# Altium PCB Fastino-DIOT.PCBDOC (part 4 of 22)
Units mm, origin at the board's own origin, x right, y up, seen from the top; angles counter-clockwise.
Board outline 222.63 x 100.1 mm, 8 copper layers (L1, L2, L3, P4, L5, L6, P7, L8), stack 1.563 mm thick; 1030 components, 787 nets, 3312 pads, 2498 vias.
Unrouted connection lines stored in the file: 424.
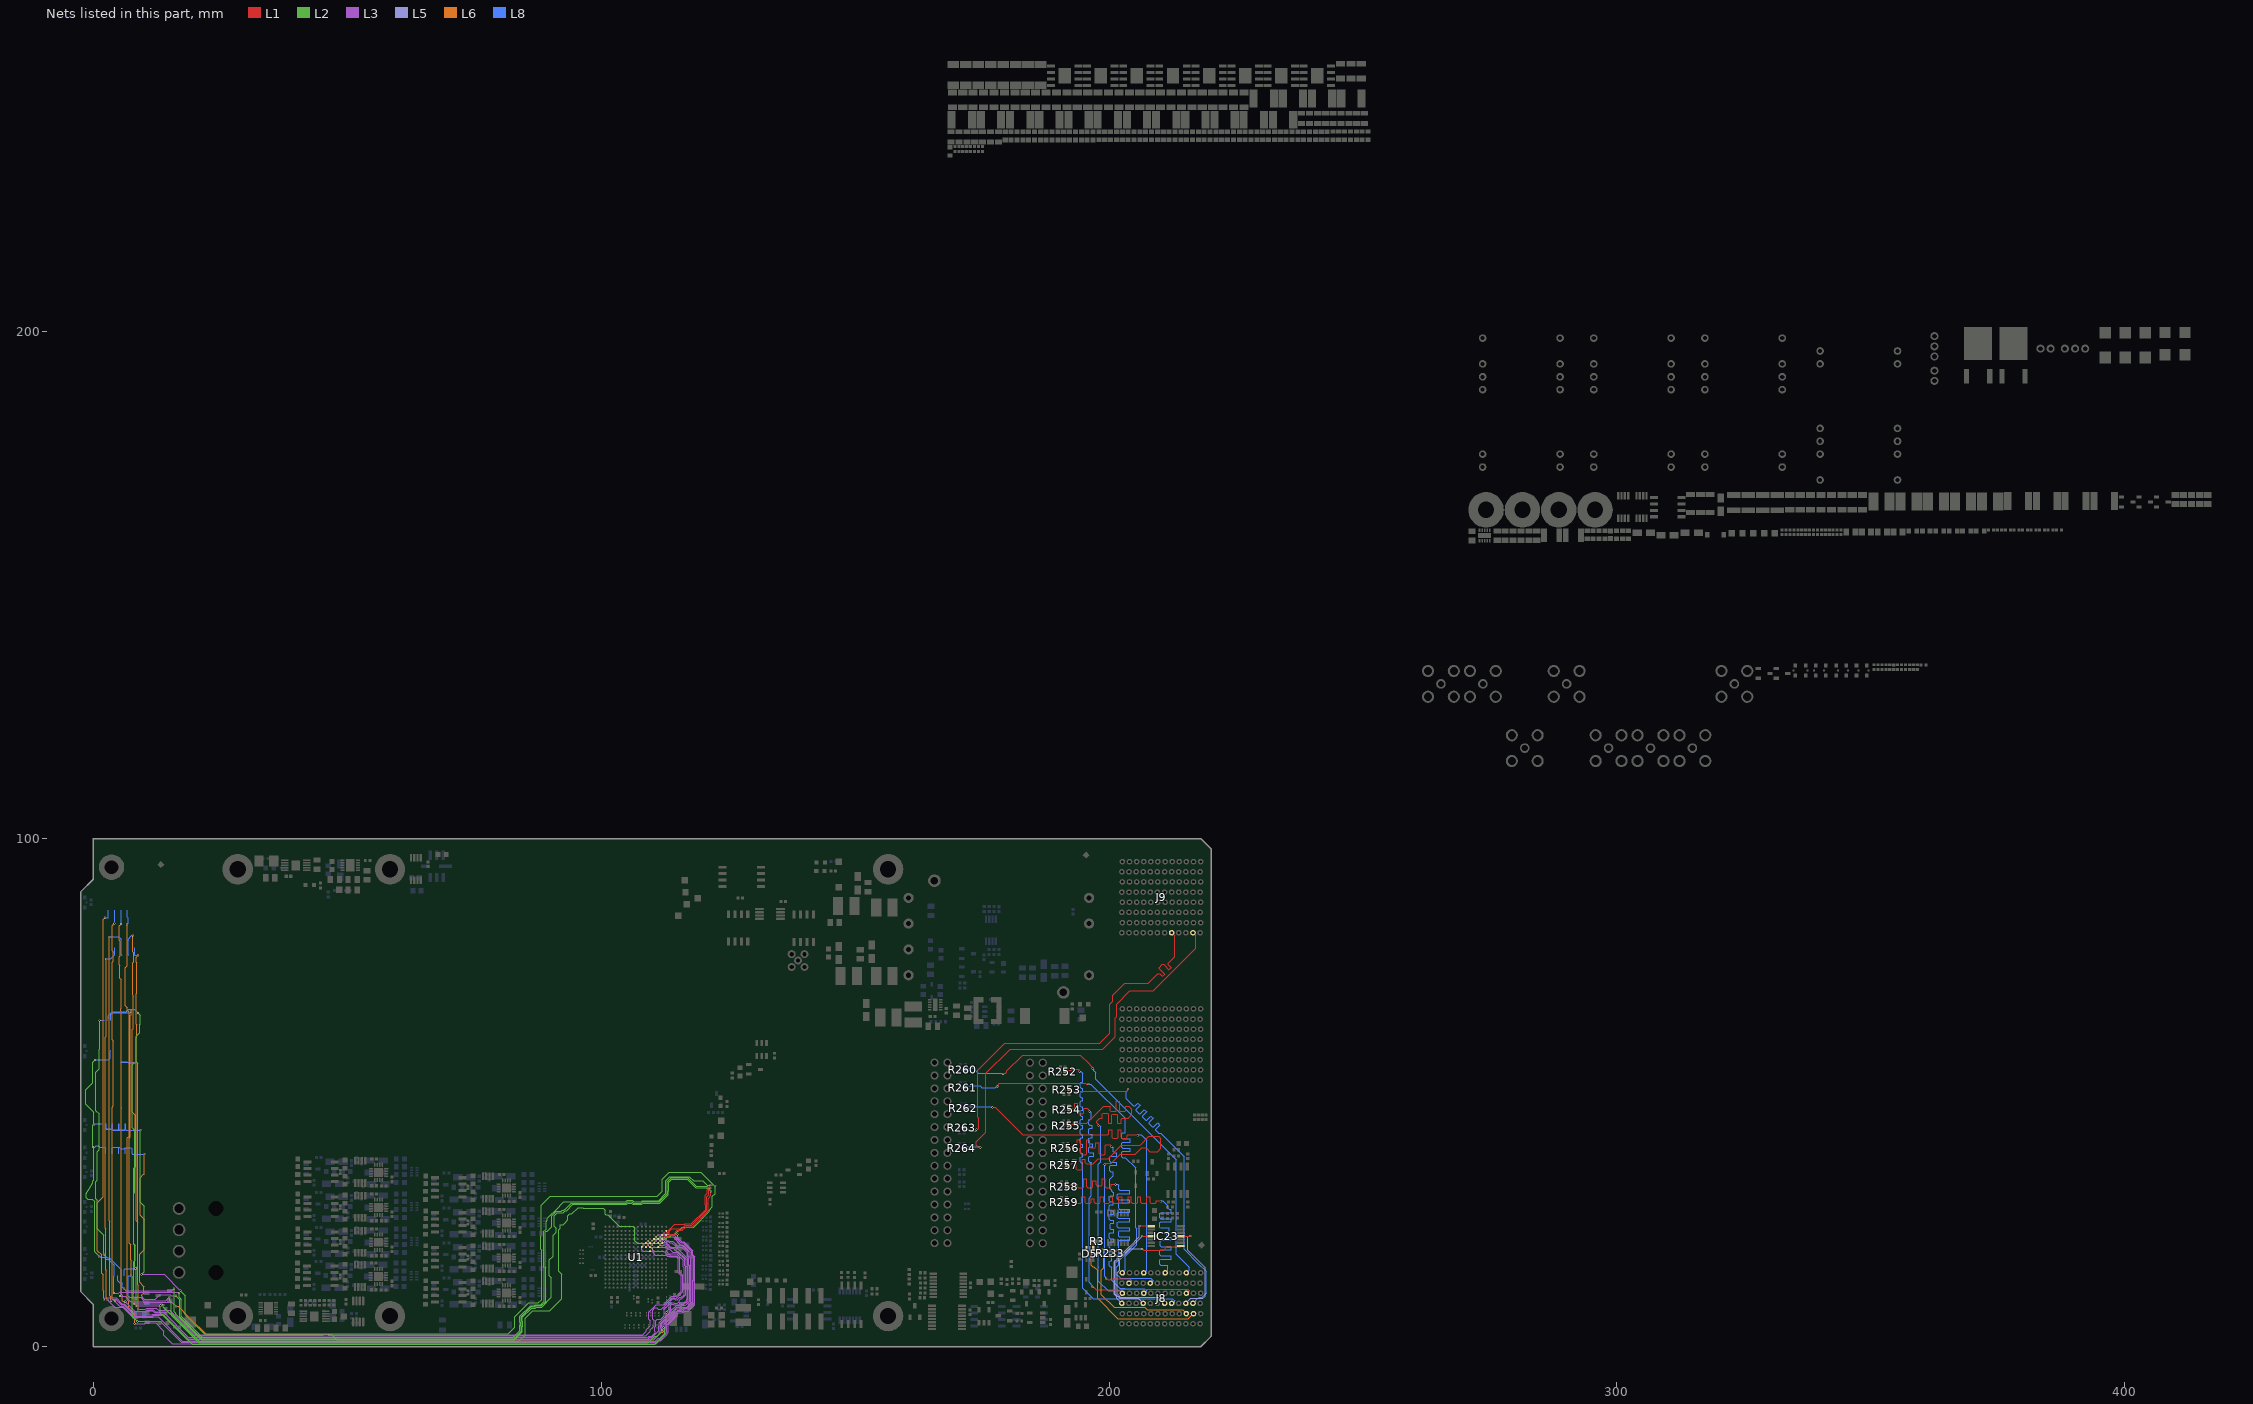
[diagram p10: the nets of this part, all layers, seen from the top]

## Part data (continued)
R62_1 R62_2 R62_3 R62_4 R62_5 R62_6 R62_7 R62_8: library part R0603_10K_0.1%_0.1W_25PPM, "Resistor - 0.1%", Case=0603, Manufacturer=GENERIC, Manufacturer1 ComponentHeight=0.55mm, Manufacturer1 Example=PANASONIC, Manufacturer1 Part Number=ERA3AEB103V, Power=0.1W, Tolerance=±0.1%, Author="CERN DEM JMW", Component Type=Standard, CreateDate=09.11.2015, HelpURL=\\cern.ch\dfs\Applications\Altium\Datasheets\R0603_PANASONIC_ERA.pdf, LatestRevisionDate=11.01.2017, Manufacturer Part Number=R0603_10K_0.1%_0.1W_25PPM, Mounted=Yes, Part Description="Thin Film Chip Resistor", Part Number=R0603_10K_0.1%_0.1W_25PPM, Pin Count=2, PressFit=No, Sense=No, SMD=Yes, Socket=No, Status="Not Recommended", TC=±25ppm/°C
R65_1 R65_2 R65_3 R65_4 R65_5 R65_6 R65_7 R65_8 R66_1 R66_2 R66_3 R66_4 R66_5 R66_6 R66_7 R66_8 R69_1 R69_2 R69_3 R69_4 R69_5 R69_6 R69_7 R69_8 R80_1 R80_2 R80_3 R80_4 R80_5 R80_6 R80_7 R80_8: library part CMP-2004-03558-1, Manufacturer=Panasonic, Manufacturer Part Number=R0201_62R_1%_0.05W_200PPM, Part Number=ERJ1GNF62R0C, Tolerance=1%
R70 R82 R108 R109: library part R0402_100K_1%_0.0625W_100PPM, "Resistor - 1%", Case=0402, Manufacturer=GENERIC, Manufacturer1 ComponentHeight=0.4mm, Manufacturer1 Example="YAGEO PHYCOMP", Manufacturer1 Part Number=232270671004L, Power=0.0625W, Tolerance=±1%, Author="CERN DEM JLC", Component Type=Standard, CreateDate=03/12/2007, HelpURL=\\cern.ch\dfs\Applications\Altium\Datasheets\R0402_Phycomp_RC0402.pdf, LatestRevisionDate=17/10/2012, Manufacturer Part Number=R0402_100K_1%_0.0625W_100PPM, Mounted=Yes, Part Description="General Purpose Thick Film Chip Resistor", Part Number=R0402_100K_1%_0.0625W_100PPM, Pin Count=2, PressFit=No, Sense=No, SMD=Yes, Socket=No, Status="Not Recommended", TC=±100ppm/°C
R72_1 R72_2 R72_3 R72_4 R72_5 R72_6 R72_7 R72_8: library part R1206_NO-VALUE, "Resistor", Case=1206, Author="CERN DEM JLC", Component Type=Standard, CreateDate=03.12.2007, HelpURL=Undefined, LatestRevisionDate=13.03.2008, Manufacturer=Undefined, Manufacturer1 ComponentHeight=Undefined, Manufacturer1 Example=Undefined, Manufacturer1 Part Number=Undefined, Manufacturer Part Number=R1206_NO-VALUE, Mounted=No, Part Description="Reserved Footprint For a 1206 (3216) Chip Resistor", Part Number=R1206_NO-VALUE, Pin Count=2, PressFit=No, Sense=No, SMD=Yes, Socket=No, Status=None
R100: library part R0603_3K3_1%_0.1W_100PPM, "Resistor - 1%", Case=0603, Manufacturer=GENERIC, Manufacturer1 ComponentHeight=0.55mm, Manufacturer1 Example="NIC COMPONENT", Manufacturer1 Part Number=NRC06F3301TRF, Power=0.1W, Tolerance=±1%, Author="CERN DEM JLC", Component Type=Standard, CreateDate=03.12.2007, HelpURL=\\cern.ch\dfs\Applications\Altium\Datasheets\R0603_NIC_NRC.pdf, LatestRevisionDate=13.03.2008, Manufacturer Part Number=R0603_3K3_1%_0.1W_100PPM, Mounted=Yes, Part Description="General Purpose Thick Film Chip Resistor", Part Number=R0603_3K3_1%_0.1W_100PPM, Pin Count=2, PressFit=No, Sense=No, SMD=Yes, Socket=No, Status=Preferred, TC=±100ppm/°C
R103: library part R0402_8K2_1%_0.0625W_100PPM, "Resistor - 1%", Case=0402, Manufacturer=GENERIC, Manufacturer1 ComponentHeight=0.4mm, Manufacturer1 Example="YAGEO PHYCOMP", Manufacturer1 Part Number=232270678202L, Power=0.0625W, Tolerance=±1%, Author="CERN DEM JLC", Component Type=Standard, CreateDate=03.12.2007, HelpURL=\\cern.ch\dfs\Applications\Altium\Datasheets\R0402_Phycomp_RC0402.pdf, LatestRevisionDate=17.10.2012, Manufacturer Part Number=R0402_8K2_1%_0.0625W_100PPM, Mounted=Yes, Part Description="General Purpose Thick Film Chip Resistor", Part Number=R0402_8K2_1%_0.0625W_100PPM, Pin Count=2, PressFit=No, Sense=No, SMD=Yes, Socket=No, Status="Not Recommended", TC=±100ppm/°C
R105_1 R105_2 R105_3 R105_4 R105_5 R105_6 R105_7 R105_8: library part R1206_10R_1%_0.25W_200PPM, "Resistor - 1%", Case=1206, Manufacturer=GENERIC, Manufacturer1 ComponentHeight=0.65mm, Manufacturer1 Example="NIC COMPONENT", Manufacturer1 Part Number=NRC12F10R0TRF, Power=0.25W, Tolerance=±1%, Author="CERN DEM JLC", Component Type=Standard, CreateDate=24.06.2009, HelpURL=\\cern.ch\dfs\Applications\Altium\Datasheets\R1206_NIC_NRC.pdf, LatestRevisionDate=24.06.2009, Manufacturer Part Number=R1206_10R_1%_0.25W_200PPM, Mounted=Yes, Part Description="General Purpose Thick Film Chip Resistor", Part Number=R1206_10R_1%_0.25W_200PPM, Pin Count=2, PressFit=No, Sense=No, SMD=Yes, Socket=No, Status=Preferred, TC=±200ppm/°C
R106_1 R106_2 R106_3 R106_4 R106_5 R106_6 R106_7 R106_8: library part R0603_3R6_1%_0.1W_200PPM, "Resistor - 1%", Case=0603, Manufacturer=GENERIC, Manufacturer1 ComponentHeight=0.65mm, Manufacturer1 Example="YAGEO PHYCOMP", Manufacturer1 Part Number="232270463608L or RC0603FR-073R6L", Power=0.1W, Tolerance=±1%, Author="CERN DEM JLC", Component Type=Standard, CreateDate=03.12.2007, HelpURL=\\cern.ch\dfs\Applications\Altium\Datasheets\R0603_Phycomp_RC0603.pdf, LatestRevisionDate=17.10.2012, Manufacturer Part Number=R0603_3R6_1%_0.1W_200PPM, Mounted=Yes, Part Description="General Purpose Thick Film Chip Resistor", Part Number=R0603_3R6_1%_0.1W_200PPM, Pin Count=2, PressFit=No, Sense=No, SMD=Yes, Socket=No, Status=Preferred, TC=±200ppm/°C
R111 R112 R274 R275: library part R0402_100R_1%_0.0625W_100PPM, "Resistor - 1%", Case=0402, Manufacturer=GENERIC, Manufacturer1 ComponentHeight=0.4mm, Manufacturer1 Example="YAGEO PHYCOMP", Manufacturer1 Part Number=232270671001L, Power=0.0625W, Tolerance=±1%, Author="CERN DEM JLC", Component Type=Standard, HelpURL=\\cern.ch\dfs\Applications\Altium\Datasheets\R0402_Phycomp_RC0402.pdf, Manufacturer Part Number=R0402_100R_1%_0.0625W_100PPM, Mounted=Yes, Part Description="General Purpose Thick Film Chip Resistor", Part Number=R0402_100R_1%_0.0625W_100PPM, Pin Count=2, SMD=Yes, Socket=No, TC=±100ppm/°C
  R111 R112: CreateDate=2007-12-03, LatestRevisionDate=2012-10-17, Status="Not recommended", Table="Resistors SMD"
  R274 R275: CreateDate=03.12.2007, LatestRevisionDate=17.10.2012, PressFit=No, Sense=No, Status="Not Recommended"
R115_1 R115_2 R115_3 R115_4 R115_5 R115_6 R115_7 R115_8 R116_1 R116_2 R116_3 R116_4 R116_5 R116_6 R116_7 R116_8: library part R1206_51K_0.1%_0.25W_25PPM, "Resistor - 0.1%", Case=1206, Manufacturer=GENERIC, Manufacturer1 ComponentHeight=0.70mm, Manufacturer1 Example=KOA, Manufacturer1 Part Number=RN73H2BTTD5102B25, Power=0.25W, Tolerance=±0.1%, Author="CERN DEM JLC", Component Type=Standard, CreateDate=03.12.2007, HelpURL=\\cern.ch\dfs\Applications\Altium\Datasheets\R1206_KOA_RN73H.pdf, LatestRevisionDate=13.03.2008, Manufacturer Part Number=R1206_51K_0.1%_0.25W_25PPM, Mounted=Yes, Part Description="Thin Film Chip Resistor", Part Number=R1206_51K_0.1%_0.25W_25PPM, Pin Count=2, PressFit=No, Sense=No, SMD=Yes, Socket=No, Status="Not Recommended", TC=±25ppm/°C
R117 R142: library part R0402_27K_1%_0.0625W_100PPM, "Resistor - 1%", Case=0402, Manufacturer=GENERIC, Manufacturer1 ComponentHeight=0.4mm, Manufacturer1 Example="YAGEO PHYCOMP", Manufacturer1 Part Number=232270672703L, Power=0.0625W, Tolerance=±1%, Author="CERN DEM JLC", Component Type=Standard, CreateDate=03/12/2007, HelpURL=\\cern.ch\dfs\Applications\Altium\Datasheets\R0402_Phycomp_RC0402.pdf, LatestRevisionDate=17/10/2012, Manufacturer Part Number=R0402_27K_1%_0.0625W_100PPM, Mounted=Yes, Part Description="General Purpose Thick Film Chip Resistor", Part Number=R0402_27K_1%_0.0625W_100PPM, Pin Count=2, PressFit=No, Sense=No, SMD=Yes, Socket=No, Status="Not Recommended", TC=±100ppm/°C
R119 R125: library part R0402_22K_1%_0.0625W_100PPM, "Resistor - 1%", Case=0402, Manufacturer=GENERIC, Manufacturer1 ComponentHeight=0.4mm, Manufacturer1 Example="YAGEO PHYCOMP", Manufacturer1 Part Number=232270672203L, Power=0.0625W, Tolerance=±1%, Author="CERN DEM JLC", Component Type=Standard, CreateDate=03.12.2007, HelpURL=\\cern.ch\dfs\Applications\Altium\Datasheets\R0402_Phycomp_RC0402.pdf, LatestRevisionDate=17.10.2012, Manufacturer Part Number=R0402_22K_1%_0.0625W_100PPM, Mounted=Yes, Part Description="General Purpose Thick Film Chip Resistor", Part Number=R0402_22K_1%_0.0625W_100PPM, Pin Count=2, PressFit=No, Sense=No, SMD=Yes, Socket=No, Status="Not Recommended", TC=±100ppm/°C
R120 R123 R129 R133: library part R1206_10K_1%_0.25W_100PPM, "Resistor - 1%", Case=1206, Manufacturer=GENERIC, Manufacturer1 ComponentHeight=0.65mm, Manufacturer1 Example="NIC COMPONENT", Manufacturer1 Part Number=NRC12F1002TRF, Power=0.25W, Tolerance=±1%, Author="CERN DEM JLC", Component Type=Standard, CreateDate=03.12.2007, HelpURL=\\cern.ch\dfs\Applications\Altium\Datasheets\R1206_NIC_NRC.pdf, LatestRevisionDate=13.03.2008, Manufacturer Part Number=R1206_10K_1%_0.25W_100PPM, Mounted=Yes, Part Description="General Purpose Thick Film Chip Resistor", Part Number=R1206_10K_1%_0.25W_100PPM, Pin Count=2, PressFit=No, Sense=No, SMD=Yes, Socket=No, Status=Preferred, TC=±100ppm/°C
R121 R122 R128 R131: library part R1206_200K_1%_0.25W_100PPM, "Resistor - 1%", Case=1206, Manufacturer=GENERIC, Manufacturer1 ComponentHeight=0.65mm, Manufacturer1 Example="NIC COMPONENT", Manufacturer1 Part Number=NRC12F2003TRF, Power=0.25W, Tolerance=±1%, Author="CERN DEM JLC", Component Type=Standard, CreateDate=03.12.2007, HelpURL=\\cern.ch\dfs\Applications\Altium\Datasheets\R1206_NIC_NRC.pdf, LatestRevisionDate=13.03.2008, Manufacturer Part Number=R1206_200K_1%_0.25W_100PPM, Mounted=Yes, Part Description="General Purpose Thick Film Chip Resistor", Part Number=R1206_200K_1%_0.25W_100PPM, Pin Count=2, PressFit=No, Sense=No, SMD=Yes, Socket=No, Status=Preferred, TC=±100ppm/°C
R124: library part R0603_20K_0.1%_0.063W_10PPM, "Resistor - 0.1%", Case=0603, Manufacturer=GENERIC, Manufacturer1 ComponentHeight=0.5mm, Manufacturer1 Example="TYCO HOLSWORTHY", Manufacturer1 Part Number=RN73C1J20KBTDF, Power=0.063W, Tolerance=±0.1%, Author="CERN DEM JLC", Component Type=Standard, CreateDate=03.12.2007, HelpURL=\\cern.ch\dfs\Applications\Altium\Datasheets\R0603_Tyco_RN73.pdf, LatestRevisionDate=13.03.2008, Manufacturer Part Number=R0603_20K_0.1%_0.063W_10PPM, Mounted=Yes, Part Description="Thin Film Chip Resistor", Part Number=R0603_20K_0.1%_0.063W_10PPM, Pin Count=2, PressFit=No, Sense=No, SMD=Yes, Socket=No, Status="Not Recommended", TC=±10ppm
R126 R139 R276 R277 R278 R279 R280 R281 R282 R283 R284 R285: library part R0402_2K_1%_0.0625W_100PPM, "Resistor - 1%", Case=0402, Manufacturer=GENERIC, Manufacturer1 ComponentHeight=0.4mm, Manufacturer1 Example="YAGEO PHYCOMP", Manufacturer1 Part Number=232270672002L, Power=0.0625W, Tolerance=±1%, Author="CERN DEM JLC", Component Type=Standard, CreateDate=03.12.2007, HelpURL=\\cern.ch\dfs\Applications\Altium\Datasheets\R0402_Phycomp_RC0402.pdf, LatestRevisionDate=17.10.2012, Manufacturer Part Number=R0402_2K_1%_0.0625W_100PPM, Mounted=Yes, Part Description="General Purpose Thick Film Chip Resistor", Part Number=R0402_2K_1%_0.0625W_100PPM, Pin Count=2, PressFit=No, Sense=No, SMD=Yes, Socket=No, Status="Not Recommended", TC=±100ppm/°C
R127 R136 R141 R149: library part R0603_1K2_1%_0.1W_100PPM, "Resistor - 1%", Case=0603, Manufacturer=GENERIC, Manufacturer1 ComponentHeight=0.55mm, Manufacturer1 Example="NIC COMPONENT", Manufacturer1 Part Number=NRC06F1201TRF, Power=0.1W, Tolerance=±1%, Author="CERN DEM JLC", Component Type=Standard, CreateDate=03.12.2007, HelpURL=\\cern.ch\dfs\Applications\Altium\Datasheets\R0603_NIC_NRC.pdf, LatestRevisionDate=13.03.2008, Manufacturer Part Number=R0603_1K2_1%_0.1W_100PPM, Mounted=Yes, Part Description="General Purpose Thick Film Chip Resistor", Part Number=R0603_1K2_1%_0.1W_100PPM, Pin Count=2, PressFit=No, Sense=No, SMD=Yes, Socket=No, Status=Preferred, TC=±100ppm/°C
R130: library part R0402_3K3_1%_0.0625W_100PPM, "Resistor - 1%", Case=0402, Manufacturer=GENERIC, Manufacturer1 ComponentHeight=0.4mm, Manufacturer1 Example="YAGEO PHYCOMP", Manufacturer1 Part Number=232270673302L, Power=0.0625W, Tolerance=±1%, Author="CERN DEM JLC", Component Type=Standard, CreateDate=03.12.2007, HelpURL=\\cern.ch\dfs\Applications\Altium\Datasheets\R0402_Phycomp_RC0402.pdf, LatestRevisionDate=17.10.2012, Manufacturer Part Number=R0402_3K3_1%_0.0625W_100PPM, Mounted=Yes, Part Description="General Purpose Thick Film Chip Resistor", Part Number=R0402_3K3_1%_0.0625W_100PPM, Pin Count=2, PressFit=No, Sense=No, SMD=Yes, Socket=No, Status="Not Recommended", TC=±100ppm/°C
R132: library part R0603_47K_1%_0.1W_100PPM, "Resistor - 1%", Case=0603, Manufacturer=GENERIC, Manufacturer1 ComponentHeight=0.55mm, Manufacturer1 Example="NIC COMPONENT", Manufacturer1 Part Number=NRC06F4702TRF, Power=0.1W, Tolerance=±1%, Author="CERN DEM JLC", Component Type=Standard, CreateDate=03.12.2007, HelpURL=\\cern.ch\dfs\Applications\Altium\Datasheets\R0603_NIC_NRC.pdf, LatestRevisionDate=13.03.2008, Manufacturer Part Number=R0603_47K_1%_0.1W_100PPM, Mounted=Yes, Part Description="General Purpose Thick Film Chip Resistor", Part Number=R0603_47K_1%_0.1W_100PPM, Pin Count=2, PressFit=No, Sense=No, SMD=Yes, Socket=No, Status=Preferred, TC=±100ppm/°C
R134 R137 R144 R168: library part R0603_3k_1%_0.1W_100PPM, "Resistor - 1%", Case=0603, Manufacturer=GENERIC, Manufacturer1 ComponentHeight=0.55mm, Manufacturer1 Example="NIC COMPONENT", Manufacturer1 Part Number=NRC06F3001TRF, Manufacturer Part Number=R0603_3K_1%_0.1W_100PPM, Power=0.1W, Tolerance=±1%, Author="CERN DEM JLC", Component Type=Standard, CreateDate=03.12.2007, HelpURL=\\cern.ch\dfs\Applications\Altium\Datasheets\R0603_NIC_NRC.pdf, LatestRevisionDate=13.03.2008, Mounted=Yes, Part Description="General Purpose Thick Film Chip Resistor", Part Number=R0603_3K_1%_0.1W_100PPM, Pin Count=2, PressFit=No, Sense=No, SMD=Yes, Socket=No, Status=Preferred, TC=±100ppm/°C
R135: library part R0402_47K_1%_0.0625W_100PPM, "Resistor - 1%", Case=0402, Manufacturer=GENERIC, Manufacturer1 ComponentHeight=0.4mm, Manufacturer1 Example="YAGEO PHYCOMP", Manufacturer1 Part Number=232270674703L, Power=0.0625W, Tolerance=±1%, Author="CERN DEM JLC", Component Type=Standard, CreateDate=03/12/2007, HelpURL=\\cern.ch\dfs\Applications\Altium\Datasheets\R0402_Phycomp_RC0402.pdf, LatestRevisionDate=17/10/2012, Manufacturer Part Number=R0402_47K_1%_0.0625W_100PPM, Mounted=Yes, Part Description="General Purpose Thick Film Chip Resistor", Part Number=R0402_47K_1%_0.0625W_100PPM, Pin Count=2, PressFit=No, Sense=No, SMD=Yes, Socket=No, Status="Not Recommended", TC=±100ppm/°C
R138: library part R0603_270K_1%_0.1W_100PPM, "Resistor - 1%", Case=0603, Manufacturer=GENERIC, Manufacturer1 ComponentHeight=0.55mm, Manufacturer1 Example="NIC COMPONENT", Manufacturer1 Part Number=NRC06F2703TRF, Power=0.1W, Tolerance=±1%, Author="CERN DEM JLC", Component Type=Standard, CreateDate=03.12.2007, HelpURL=\\cern.ch\dfs\Applications\Altium\Datasheets\R0603_NIC_NRC.pdf, LatestRevisionDate=13.03.2008, Manufacturer Part Number=R0603_270K_1%_0.1W_100PPM, Mounted=Yes, Part Description="General Purpose Thick Film Chip Resistor", Part Number=R0603_270K_1%_0.1W_100PPM, Pin Count=2, Sense=No, SMD=Yes, Socket=No, Status=Preferred, TC=±100ppm/°C
R140: library part R0603_82K_1%_0.1W_100PPM, "Resistor - 1%", Case=0603, Manufacturer=GENERIC, Manufacturer1 ComponentHeight=0.55mm, Manufacturer1 Example="NIC COMPONENT", Manufacturer1 Part Number=NRC06F8202TRF, Power=0.1W, Tolerance=±1%, Author="CERN DEM JLC", Component Type=Standard, CreateDate=03.12.2007, HelpURL=\\cern.ch\dfs\Applications\Altium\Datasheets\R0603_NIC_NRC.pdf, LatestRevisionDate=13.03.2008, Manufacturer Part Number=R0603_82K_1%_0.1W_100PPM, Mounted=Yes, Part Description="General Purpose Thick Film Chip Resistor", Part Number=R0603_82K_1%_0.1W_100PPM, Pin Count=2, Sense=No, SMD=Yes, Socket=No, Status=Preferred, TC=±100ppm/°C
R151: library part R0402_31K6_0.1%_0.063W_25PPM_YAGEO_RT, "Resistor - 0.1%", Case=0402, Manufacturer=YAGEO, Manufacturer Part Number=RT0402BRD0731K6L, Power=0.063W, Tolerance=±0.1%, Voltage=50V, Author="CERN DEM BC", Component Type=Standard, ComponentHeight=0.35mm, CreateDate=30.07.2020, HelpURL=\\cern.ch\dfs\Applications\Altium\Datasheets\R0402_YAGEO_RT.pdf, LatestRevisionDate=30.07.2020, Mounted=Yes, Part Description="Thin Film Chip Resistor", Part Number=R0402_31K6_0.1%_0.063W_25PPM_YAGEO_RT, Pin Count=2, PressFit=No, Sense=No, SMD=Yes, Socket=No, Status="Not Recommended", TC=±25ppm/°C
R152: library part R0603_220R_1%_0.1W_100PPM, "Resistor - 1%", Case=0603, Manufacturer=GENERIC, Manufacturer1 ComponentHeight=0.55mm, Manufacturer1 Example="NIC COMPONENT", Manufacturer1 Part Number=NRC06F2200TRF, Power=0.1W, Tolerance=±1%, Author="CERN DEM JLC", Component Type=Standard, CreateDate=03.12.2007, HelpURL=\\cern.ch\dfs\Applications\Altium\Datasheets\R0603_NIC_NRC.pdf, LatestRevisionDate=13.03.2008, Manufacturer Part Number=R0603_220R_1%_0.1W_100PPM, Mounted=Yes, Part Description="General Purpose Thick Film Chip Resistor", Part Number=R0603_220R_1%_0.1W_100PPM, Pin Count=2, Sense=No, SMD=Yes, Socket=No, Status=Preferred, TC=±100ppm/°C
R155: library part R0402_5k1_1%_0.0625W_100PPM, "Resistor - 1%", Case=0402, Manufacturer=GENERIC, Manufacturer1 ComponentHeight=0.4mm, Manufacturer1 Example="YAGEO PHYCOMP", Manufacturer1 Part Number=232270675102L, Manufacturer Part Number=R0402_5K1_1%_0.0625W_100PPM, Power=0.0625W, Tolerance=±1%, Author="CERN DEM JLC", Component Type=Standard, CreateDate=03.12.2007, HelpURL=\\cern.ch\dfs\Applications\Altium\Datasheets\R0402_Phycomp_RC0402.pdf, LatestRevisionDate=17.10.2012, Mounted=Yes, Part Description="General Purpose Thick Film Chip Resistor", Part Number=R0402_5K1_1%_0.0625W_100PPM, Pin Count=2, PressFit=No, Sense=No, SMD=Yes, Socket=No, Status="Not Recommended", TC=±100ppm/°C
R157: library part R0603_39K_1%_0.1W_100PPM, "Resistor - 1%", Case=0603, Manufacturer=GENERIC, Manufacturer1 ComponentHeight=0.55mm, Manufacturer1 Example="NIC COMPONENT", Manufacturer1 Part Number=NRC06F3902TRF, Power=0.1W, Tolerance=±1%, Author="CERN DEM JLC", Component Type=Standard, CreateDate=03.12.2007, HelpURL=\\cern.ch\dfs\Applications\Altium\Datasheets\R0603_NIC_NRC.pdf, LatestRevisionDate=13.03.2008, Manufacturer Part Number=R0603_39K_1%_0.1W_100PPM, Mounted=Yes, Part Description="General Purpose Thick Film Chip Resistor", Part Number=R0603_39K_1%_0.1W_100PPM, Pin Count=2, PressFit=No, Sense=No, SMD=Yes, Socket=No, Status=Preferred, TC=±100ppm/°C
R158: library part R0402_220R_1%_0.0625W_100PPM, "Resistor - 1%", Case=0402, Manufacturer=GENERIC, Manufacturer1 ComponentHeight=0.4mm, Manufacturer1 Example="YAGEO PHYCOMP", Manufacturer1 Part Number=232270672201L, Power=0.0625W, Tolerance=±1%, Author="CERN DEM JLC", Component Type=Standard, CreateDate=03.12.2007, HelpURL=\\cern.ch\dfs\Applications\Altium\Datasheets\R0402_Phycomp_RC0402.pdf, LatestRevisionDate=17.10.2012, Manufacturer Part Number=R0402_220R_1%_0.0625W_100PPM, Mounted=Yes, Part Description="General Purpose Thick Film Chip Resistor", Part Number=R0402_220R_1%_0.0625W_100PPM, Pin Count=2, PressFit=No, Sense=No, SMD=Yes, Socket=No, Status="Not Recommended", TC=±100ppm/°C
R164_1 R164_2 R164_3 R164_4 R164_5 R164_6 R164_7 R164_8: library part R0402_10R_1%_0.0625W_200PPM, "Resistor - 1%", Case=0402, Manufacturer=GENERIC, Manufacturer1 ComponentHeight=0.4mm, Manufacturer1 Example="YAGEO PHYCOMP", Manufacturer1 Part Number=232270671009L, Power=0.0625W, Tolerance=±1%, Author="CERN DEM JLC", Component Type=Standard, CreateDate=24.06.2009, HelpURL=\\cern.ch\dfs\Applications\Altium\Datasheets\R0402_Phycomp_RC0402.pdf, LatestRevisionDate=17.10.2012, Manufacturer Part Number=R0402_10R_1%_0.0625W_200PPM, Mounted=Yes, Part Description="General Purpose Thick Film Chip Resistor", Part Number=R0402_10R_1%_0.0625W_200PPM, Pin Count=2, PressFit=No, Sense=No, SMD=Yes, Socket=No, Status="Not Recommended", TC=±200ppm/°C
R167: library part R0402_2M_1%_0.0625W_100PPM, "Resistor - 1%", Case=0402, Manufacturer=GENERIC, Manufacturer1 ComponentHeight=0.4mm, Manufacturer1 Example="YAGEO PHYCOMP", Manufacturer1 Part Number=232270672005L, Power=0.0625W, Tolerance=±1%, Author="CERN DEM JLC", Component Type=Standard, CreateDate=03.12.2007, HelpURL=\\cern.ch\dfs\Applications\Altium\Datasheets\R0402_Phycomp_RC0402.pdf, LatestRevisionDate=17.10.2012, Manufacturer Part Number=R0402_2M_1%_0.0625W_100PPM, Mounted=Yes, Part Description="General Purpose Thick Film Chip Resistor", Part Number=R0402_2M_1%_0.0625W_100PPM, Pin Count=2, PressFit=No, Sense=No, SMD=Yes, Socket=No, Status="Not Recommended", TC=±100ppm/°C
R169 R185 R205: library part R0402_22R_1%_0.0625W_100PPM, "Resistor - 1%", Case=0402, Manufacturer=GENERIC, Manufacturer1 ComponentHeight=0.4mm, Manufacturer1 Example="YAGEO PHYCOMP", Manufacturer1 Part Number=232270672209L, Power=0.0625W, Tolerance=±1%, Author="CERN DEM JLC", Component Type=Standard, HelpURL=\\cern.ch\dfs\Applications\Altium\Datasheets\R0402_Phycomp_RC0402.pdf, Manufacturer Part Number=R0402_22R_1%_0.0625W_100PPM, Mounted=Yes, Part Description="General Purpose Thick Film Chip Resistor", Part Number=R0402_22R_1%_0.0625W_100PPM, Pin Count=2, PressFit=No, Sense=No, SMD=Yes, Socket=No, Status="Not Recommended"
  R169: CreateDate=03/12/2007, LatestRevisionDate=17/10/2012, TC=±100ppm/°C
  R185 R205: CreateDate=03.12.2007, LatestRevisionDate=17.10.2012
R176 R178 R180 R182 R184 R186 R188 R189 R190 R191 R192 R193 R194 R195 R196 R197 R198 R199 R200 R203 R206 R207 R208 R209 R210 R211 R212 R213 R214 R215 R216 R217: library part R0201_140R_1%_0.05W_200PPM, "Resistor - 1%", Case=0201, Manufacturer=GENERIC, Manufacturer1 ComponentHeight=0.27mm, Manufacturer1 Example=VISHAY, Manufacturer1 Part Number=CRCW0201140RFNED, Power=0.05W, Tolerance=±1%, Author="CERN DEM MR", Component Type=Standard, CreateDate=26/01/2016, HelpURL="\\cern.ch\dfs\Applications\Altium\Datasheets\R0201_VISHAY_CRCW e3.pdf", LatestRevisionDate=26/01/2016, Manufacturer Part Number=R0201_140R_1%_0.05W_200PPM, Mounted=Yes, Part Description="Thick Film Chip Resistor", Part Number=R0201_140R_1%_0.05W_200PPM, Pin Count=2, PressFit=No, Sense=No, SMD=Yes, Socket=No, Status="Not Recommended", TC=±200ppm/°C
R222: library part R0603_2K7_1%_0.1W_100PPM, "Resistor - 1%", Case=0603, Manufacturer=GENERIC, Manufacturer1 ComponentHeight=0.55mm, Manufacturer1 Example="YAGEO PHYCOMP", Manufacturer1 Part Number=RC0603FR-072K7L, Power=0.1W, Tolerance=±1%, Author="CERN DEM JLC", Component Type=Standard, CreateDate=2011-05-02, HelpURL=\\cern.ch\dfs\Applications\Altium\Datasheets\R0603_PHYCOMP_RC0603.pdf, LatestRevisionDate=2011-05-02, Manufacturer Part Number=R0603_2K7_1%_0.1W_100PPM, Mounted=Yes, Part Description="General Purpose Thick Film Chip Resistor", Part Number=R0603_2K7_1%_0.1W_100PPM, Pin Count=2, PressFit=No, Sense=No, SMD=Yes, Socket=No, Status=Preferred, TC=±100ppm/°C
R223: library part R0402_5K6_1%_0.0625W_100PPM, "Resistor - 1%", Case=0402, Manufacturer=GENERIC, Manufacturer1 ComponentHeight=0.4mm, Manufacturer1 Example="YAGEO PHYCOMP", Manufacturer1 Part Number=232270675602L, Power=0.0625W, Tolerance=±1%, Author="CERN DEM JLC", Component Type=Standard, CreateDate=2007-12-03, HelpURL=\\cern.ch\dfs\Applications\Altium\Datasheets\R0402_Phycomp_RC0402.pdf, LatestRevisionDate=2012-10-17, Manufacturer Part Number=R0402_5K6_1%_0.0625W_100PPM, Mounted=Yes, Part Description="General Purpose Thick Film Chip Resistor", Part Number=R0402_5K6_1%_0.0625W_100PPM, Pin Count=2, PressFit=No, Sense=No, SMD=Yes, Socket=No, Status="Not Recommended", TC=±100ppm/°C
R226 R227: library part R0402_1K6_1%_0.0625W_100PPM, "Resistor - 1%", Case=0402, Manufacturer=GENERIC, Manufacturer1 ComponentHeight=0.4mm, Manufacturer1 Example="YAGEO PHYCOMP", Manufacturer1 Part Number=232270671602L, Power=0.0625W, Tolerance=±1%, Author="CERN DEM JLC", Component Type=Standard, CreateDate=2007-12-03, HelpURL=\\cern.ch\dfs\Applications\Altium\Datasheets\R0402_Phycomp_RC0402.pdf, LatestRevisionDate=2012-10-17, Manufacturer Part Number=R0402_1K6_1%_0.0625W_100PPM, Mounted=Yes, Part Description="General Purpose Thick Film Chip Resistor", Part Number=R0402_1K6_1%_0.0625W_100PPM, Pin Count=2, PressFit=No, Sense=No, SMD=Yes, Socket=No, Status="Not Recommended", TC=±100ppm/°C
R230: library part R0805_1M1_1%_0.125W_100PPM, "Resistor - 1%", Case=0805, Manufacturer=GENERIC, Manufacturer1 ComponentHeight=0.6mm, Manufacturer1 Example="NIC COMPONENT", Manufacturer1 Part Number=NRC10F1104TRF, Power=0.125W, Tolerance=±1%, Author="CERN DEM JLC", Component Type=Standard, CreateDate=03/12/2007, HelpURL=\\cern.ch\dfs\Applications\Altium\Datasheets\R0805_NIC_NRC.pdf, LatestRevisionDate=13/03/2008, Manufacturer Part Number=R0805_1M1_1%_0.125W_100PPM, Mounted=Yes, Part Description="General Purpose Thick Film Chip Resistor", Part Number=R0805_1M1_1%_0.125W_100PPM, Pin Count=2, PressFit=No, Sense=No, SMD=Yes, Socket=No, Status=Preferred, TC=±100ppm/°C
R231 R232: library part "R0805_10M_1%_0.125W_100PPM_VISHAY_CRCW e3", "Resistor - 1%", Case=0805, Manufacturer="VISHAY DALE", Manufacturer Part Number=CRCW080510M0FKEA, Power=0.125W, Tolerance=±1%, Author="CERN DEM BC", Component Type=Standard, ComponentHeight=0.5mm, CreateDate=2019-11-12, HelpURL="\\cern.ch\dfs\Applications\Altium\Datasheets\R0805_VISHAY_CRCW e3.pdf", LatestRevisionDate=2019-11-12, Mounted=Yes, Part Description="150V, Standard Thick Film Chip Resistor", Part Number="R0805_10M_1%_0.125W_100PPM_VISHAY_CRCW e3", Pin Count=2, PressFit=No, Sense=No, SMD=Yes, Socket=No, Status=None, TC=±100ppm/°C
R251 R267 R297_1 R297_2 R297_3 R297_4 R297_5 R297_6 R297_7 R297_8: library part R0201_0R_JUMPER, "Resistor", Case=0201, Manufacturer=GENERIC, Manufacturer1 ComponentHeight=0.27mm, Manufacturer1 Example=VISHAY, Manufacturer1 Part Number=CRCW02010000Z0ED, Author="CERN DEM JLC", Component Type=Standard, HelpURL="\\cern.ch\dfs\Applications\Altium\Datasheets\R0201_VISHAY_CRCW e3.pdf", Manufacturer Part Number=R0201_0R_JUMPER, Mounted=Yes, Part Description="1A (0.05R Max DC Resistance) Zero Ohm Jumper", Part Number=R0201_0R_JUMPER, Pin Count=2, PressFit=No, Sense=No, SMD=Yes, Socket=No, Status="Not Recommended"
  R251 R267: CreateDate=2014-11-19, LatestRevisionDate=2015-01-08
  R297_1 R297_2 R297_3 R297_4 R297_5 R297_6 R297_7 R297_8: CreateDate=19.11.2014, LatestRevisionDate=08.01.2015
R382: library part R0402_24K_1%_0.0625W_100PPM, "Resistor - 1%", Case=0402, Manufacturer=GENERIC, Manufacturer1 ComponentHeight=0.4mm, Manufacturer1 Example="YAGEO PHYCOMP", Manufacturer1 Part Number=232270672403L, Power=0.0625W, Tolerance=±1%, Author="CERN DEM JLC", Component Type=Standard, CreateDate=03/12/2007, HelpURL=\\cern.ch\dfs\Applications\Altium\Datasheets\R0402_Phycomp_RC0402.pdf, LatestRevisionDate=17/10/2012, Manufacturer Part Number=R0402_24K_1%_0.0625W_100PPM, Mounted=Yes, Part Description="General Purpose Thick Film Chip Resistor", Part Number=R0402_24K_1%_0.0625W_100PPM, Pin Count=2, PressFit=No, Sense=No, SMD=Yes, Socket=No, Status="Not Recommended", TC=±100ppm/°C
RN1_1 RN1_2 RN1_3 RN1_4 RN1_5 RN1_6 RN1_7 RN1_8: library part RES_RN_100R_YAGEO_TC124-JR-07100RL, "DIL8 Resistor Network 4 Isolated Resistor 5%", Case=0408, Manufacturer=YAGEO, Manufacturer Part Number=TC124-JR-07100RL, Part Number=RN_100R_YAGEO_TC124-JR-07100RL, Power=0.062W, Tolerance=±5%, Author="CERN DEM BC", ComponentHeight=0.5mm, Component Type=Standard, CreateDate=06.05.2019, HelpURL=\\cern.ch\dfs\Applications\Altium\Datasheets\RN_YAGEO_TC124.pdf, LatestRevisionDate=06.05.2019, Mounted=Yes, Part Description="Chip Resistor Array , 4 Isolated Resistors (Side Concave Terminal), TC124 Series", Pin Count=8, PressFit=No, Sense=No, SMD=Yes, Socket=No, Status="Not recommended", TC=±200ppm/°C
RN2 RN3 RN5_1 RN5_2 RN5_3 RN5_4 RN5_5 RN5_6 RN5_7 RN5_8: library part RN_10K_VISHAY_AORN1002A, "DIL8 Resistor Network 4 Isolated Resistor 0.1%", Case=SOIC8, Manufacturer="VISHAY DALE", Manufacturer Part Number=AORN1002A, Power=4x0.1W, Tolerance=±0.1%, Author="CERN DEM JLC", Component Type=Standard, ComponentHeight=1.73mm, CreateDate=20.02.2017, HelpURL=\\cern.ch\dfs\Applications\Altium\Datasheets\RN_VISHAY_AORN.pdf, LatestRevisionDate=03.05.2017, Mounted=Yes, Part Description="Dual-In-Line Thin Film Precision Automotive Resistors Network, (4 Isolated) - AORN Series", Part Number=RN_10K_VISHAY_AORN1002A, Pin Count=8, PressFit=No, Sense=No, SMD=Yes, Socket=No, TC=±25ppm/°C
SW1 SW2: library part SW_TYCO_1571983-4, "4 Ways SPST DIP Switch", Manufacturer=TYCO, Manufacturer Part Number="1571983-4 or GDH04S04", Author="CERN DEM JLC", ComponentHeight=2.31mm, Component Type=Standard, CreateDate=08/01/2009, Family=Switch, HelpURL=\\cern.ch\dfs\Applications\Altium\Datasheets\SW_TYCO_1571983-4.pdf, LatestRevisionDate=08/01/2009, Mounted=Yes, PackageDescription="Pitch 1.27mm,  Body 6.2x6.2mm, 4 Ways SPST Surface-Mount DIP Switch, TYCO GDH Series", Part Description="4 Way SPST SMD DIP Switch, Latched, Contact Rating 0.025A 24VDC", Part Number=SW_TYCO_1571983-4, Pin Count=8, PressFit=No, Sense=No, SMD=Yes, Socket=No, Status=None
T1 T13 T14 T18 T22: "NPN Transistor", Case=SOT23-3, Manufacturer="NXP SEMICONDUCTORS", Author="CERN DEM JLC", Bonding=No, ComponentHeight=1.1mm, Component Type=Standard, CreateDate=14.06.2011, Device=BC847B, HelpURL=\\cern.ch\dfs\Applications\Altium\Datasheets\BC847B.pdf, LatestRevisionDate=14.06.2011, Manufacturer Part Number=BC847B, Mounted=Yes, PackageDescription="SOT23, 3 pin, Pitch 0.95mm - 1.3mm W X 2.9mm L X 1.1mm H, IPC Medium Density", Part Description="45V 100mA NPN general-purpose transistors", Part Number=BC847B, Pin Count=3, PressFit=No, Sense=No, SMD=Yes, Socket=No
T2 T3 T4 T5 T6 T7 T8 T9 T10 T15 T16: "N-CHANNEL MOSFET WITH DIODE", Case=SOT23-3, Manufacturer="ON SEMICONDUCTOR", Author="CERN DEM JLC", Bonding=No, Component Type=Standard, ComponentHeight=1.11mm, CreateDate=23.03.2009, Device=BSS138LT1G, HelpURL=\\cern.ch\dfs\Applications\Altium\Datasheets\BSS138LT1G.pdf, LatestRevisionDate=23.03.2009, Manufacturer Part Number=BSS138LT1G, Mounted=Yes, PackageDescription="SOT23 3-Leads, Pitch 0.95mm - Body 1.4x3mm, IPC Medium Density", Part Description="50V 200mA N-Channel Enhancement Mode Field-Effect Transistor", Part Number=BSS138LT1G, Pin Count=3, PressFit=No, Sense=No, SMD=Yes, Socket=No
T11 T12: "P-Channel 1.8V Specified PowerTrench MOSFET", Case=SOT23-6, Manufacturer="ON SEMICONDUCTOR", Author="CERN DEM HF", Bonding=No, Component Type=Standard, ComponentHeight=1.1mm, CreateDate=06.10.2021, Device=FDC606P, HelpURL=\\cern.ch\dfs\Applications\Altium\Datasheets\FDC606P.pdf, LatestRevisionDate=06.10.2021, Manufacturer Part Number=FDC606P, Mounted=Yes, PackageDescription="SOT, 0.95mm Pitch; 6 Pin, 1.50mm W X 2.95mm L X 1.10mm H body, IPC Medium Density", Part Description="-12V -6A P-Channel 1.8V Specified PowerTrench® MOSFET", Part Number=FDC606P, Pin Count=6, PressFit=No, Sense=No, SMD=Yes, Socket=No
T17: library part Q_FQD3N60CTM, "N-CHANNEL 600V, 2.4A, 3.4Ohm", Case=DPAK, Manufacturer=ONSEMI, Author=GK, Bonding=No, Component Type=Standard, ComponentHeight=2.38mm, CreateDate=25.07.2012, Device=FQD3N60CTM, HelpURL=\\cern.ch\dfs\Applications\Altium\Datasheets\IRFR224PBF.pdf, LatestRevisionDate=25.07.2012, Manufacturer Part Number=FQD3N60CTM, Mounted=Yes, PackageDescription="TO-252AA DPAK TO, 2.28mm pitch; 2 pin,9.905mm L X 6.095mm W X 2.39mm H body, IPC Medium Density", Part Description="600V 2.4A N-Channel Power MOSFET", Part Number=FQD3N60CTM, Pin Count=3, PressFit=No, Sense=No, SMD=Yes, Socket=No
T19: "PNP Transistor", Case=SOT23-3, Manufacturer="NXP SEMICONDUCTORS", Author="CERN DEM JLC", Bonding=No, Component Type=Standard, ComponentHeight=1.1mm, CreateDate=14.06.2011, Device=BC857B, HelpURL=\\cern.ch\dfs\Applications\Altium\Datasheets\BC857B.pdf, LatestRevisionDate=14.06.2011, Manufacturer Part Number=BC857B, Mounted=Yes, PackageDescription="SOT23, 3 pin, Pitch 0.95mm - 1.3mm W X 2.9mm L X 1.1mm H, IPC Medium Density", Part Description="45V 100mA PNP general-purpose transistors", Part Number=BC857B, Pin Count=3, PressFit=No, Sense=No, SMD=Yes, Socket=No
T20: library part Q_FQD3P50TM, "P-CHANNEL -500V, -2.1A 4.9Ohm", Case=DPAK, Manufacturer=ONSEMI, Author=GK, Bonding=No, Component Type=Standard, ComponentHeight=2.38mm, CreateDate=18.03.2013, Device=FQD3P50TM, HelpURL=\\cern.ch\dfs\Applications\Altium\Datasheets\IRFR9220PBF.pdf, LatestRevisionDate=18.03.2013, Manufacturer Part Number=FQD3P50TM, Mounted=Yes, PackageDescription="TO-252AA DPAK TO, 2.28mm pitch; 2 pin,9.905mm L X 6.095mm W X 2.39mm H body, IPC Medium Density", Part Description="-500V -2.1A P-Channel Power MOSFET", Part Number=FQD3P50TM, Pin Count=3, PressFit=No, Sense=No, SMD=Yes, Socket=No
T21: "-30V -19.7A P-Channel MOSFET", Case=SOIC8, Manufacturer="VISHAY SILICONIX", Author="CERN DEM MR", Bonding=No, Component Type=Standard, ComponentHeight=1.75mm, CreateDate=05/10/2016, Device=SI4425DDY-T1-GE3, HelpURL=\\cern.ch\dfs\Applications\Altium\Datasheets\SI4425DDY-T1-GE3.pdf, LatestRevisionDate=05/10/2016, Manufacturer Part Number=SI4425DDY-T1-GE3, Mounted=Yes, PackageDescription="SOIC 8, Pitch 1.27mm - Body 4x5mm, IPC Medium Density", Part Description="-30V -19.7A P-Channel MOSFET", Part Number=SI4425DDY-T1-GE3, Pin Count=8, PressFit=No, Sense=No, SMD=Yes, Socket=No
TP1 TP2 TP3 TP4 TP5 TP6 TP7 TP8 TP9 TP10 TP11 TP12 TP13 TP14 TP15 TP16 TP17 TP18 TP19 TP20 TP21 TP22 TP23 TP24 TP27: library part SMD_PAD_1.27X1.27MM, Author="CERN DEM JLC", ComponentHeight=0mm, Component Type="Standard (No BOM)", Family="Test Point", HelpURL=Undefined, Mounted=No, PackageDescription="1.27mm x 1.27mm PCB Copper Area (SMD Test Point)", Part Description="1.27mm x 1.27mm PCB Copper Area (SMD Test Point)", Part Number=SMD_PAD_1.27X1.27MM, Pin Count=1, Sense=No, Socket=No, Status=None
  TP1 TP2 TP3 TP5 TP6 TP7 TP9 TP10 TP11 TP12 TP14 TP16 TP17 TP21: CreateDate=12.01.2008, LatestRevisionDate=12.01.2008, SMD=Yes
  TP4 TP15 TP18 TP19 TP20 TP27: CreateDate=12.01.2008, LatestRevisionDate=12.01.2008, SMD=No
  TP8 TP13 TP22 TP23 TP24: CreateDate=12/01/2008, LatestRevisionDate=12/01/2008, SMD=Yes
U1: library part CMP-0962-00001-1, "iCE40 HX8K Series FPGA Family, 7680 Logic Cells, 1.2 V Core, 128 K Embedded RAM Bits, 256-ball caBGA, Pb-Free, Tray", Manufacturer="Lattice Semiconductor", Supply Voltage=1.2V, Code_JEDEC=MO-275, ComponentLink1Description="Manufacturer URL", ComponentLink1URL=http://www.latticesemi.com/en, ComponentLink2Description=Datasheet, ComponentLink2URL=http://www.latticesemi.com/~/media/Documents/DataSheets/iCE/iCE40LPHXFamilyDataSheet.pdf, ComponentLink3Description="Package Specification", ComponentLink3URL=http://www.latticesemi.com/lit/docs/package/pkg.pdf, DatasheetVersion="Rev. 02.9", Embedded RAM Bits=128K, Logic Cells=7680, Manufacturer Part Number=ICE40HX8K-CT256, Mounting Technology="Surface Mount", PackageDescription="256-Ball Chip Array Ball Grid Array, Body 14 x 14 mm, Pitch 0.8 mm", PackageReference=caBGA-256, PackageVersion="Rev. 03.9, 02/2013", Packing=Tray, Phase-Locked Loops=2, RoHS=TRUE

## Free pads (board coordinates)
  round 6 / inner round 4 / far side round 6 hole 3.2: 0(58.4,6) 0(156.5,6) 0(156.5,94) 1(58.4,94) 2(28.4,94) 3(28.4,6)

## Via types
v1: diameter 0.4, hole 0.2, L1 to L8, tented both sides, 1919 vias
v2: diameter 0.5, hole 0.2, L1 to L8, tented both sides, 270 vias
v3: diameter 0.4, hole 0.2, L1 to L8, 170 vias
v4: diameter 0.7, hole 0.4, L1 to L8, tented both sides, 110 vias
v5: diameter 0.7, hole 0.4, L1 to L8, 29 vias

## Nets (pads, with @x,y where several pads share a name; then routed paths per layer and width w, separated by ;. In a path a pad name is that pad's centre, name@x,y a point inside that pad or via, vN(x,y) a via of type N, cw(c..) or ccw(c..) an arc to the next point about the centre after c; other vN are vias at no path point)
AFE_IO_2V5_0: U1.L3 | length 139.4
  L1 w0.127: U1.L3@111.2,19.6 v1(111.6,20)
  L3 w0.127: v1(5.259,9.943) 6.229,9.943 7.358,8.814 9.788,8.814 9.839,8.763 15.44,8.763 v1(16.275,7.928) ; v1(111.6,20) 112.448,20 112.597,19.851 112.718,19.851 112.752,19.816 112.752,19.725 113.279,19.199 113.49,19.199 114.128,18.562 115.01,18.562 116.421,17.151 116.421,15.888 116.637,15.672 116.637,10.189 115.89,9.442 115.697,9.442 115.32,9.065 115.32,8.872 114.965,8.517 114.397,8.517 114.314,8.6 113.78,8.6 113.403,8.222 113.403,7.394 113.132,7.123 113.132,7.01 v1(112.801,6.68)
  L6 w0.127: v1(16.275,7.928) 16.277,7.926 16.665,7.926 18.707,5.884 18.707,5.738 18.819,5.626 18.965,5.626 22.203,2.388 45.267,2.388 45.305,2.426 45.795,2.426 45.833,2.388 46.812,2.388 47.865,1.334 110.334,1.334 111.86,2.86 112.162,2.86 112.39,3.088 112.39,3.322 112.801,3.732 v1(112.801,6.68)
  L8 w0.127: 4.784,13.963 4.784,12.963 5.441,12.307 5.441,10.181 5.259,9.999 v1(5.259,9.943)
AFE_IO_2V5_1: U1.L6 | length 218.4
  L1 w0.127: U1.L6@108.8,19.6 v1(109.2,20)
  L3 w0.127: v1(2.032,9.312) 2.314,9.595 4.483,9.595 5.614,8.464 6.072,8.464 7.846,6.69 10.313,6.69 10.668,7.045 11.624,7.045 12.03,6.639 13.91,6.639 18.706,1.842 109.106,1.842 109.321,2.057 109.906,2.057 110.608,2.759 110.608,2.975 110.53,3.053 110.53,3.789 110.703,3.962 110.703,5.083 111.02,5.401 111.761,5.401 112.451,6.09 112.451,6.478 112.411,6.518 112.411,6.842 112.451,6.882 112.451,7.473 113.149,8.171 113.149,8.451 114.079,9.381 114.402,9.381 114.554,9.229 115.009,9.229 115.476,9.696 115.785,9.696 116.334,10.246 116.334,15.577 116.167,15.745 116.167,17.027 114.914,18.279 113.8,18.279 113.776,18.304 113.198,18.304 112.975,18.528 112.975,19.144 112.526,19.593 110.641,19.593 110.63,19.582 110.122,19.582 110.114,19.574 109.79,19.574 109.782,19.582 109.618,19.582 v1(109.2,20)
  L6 w0.127: v1(2.032,9.312) 2.032,10.927 1.959,11 1.959,14.175 1.658,14.476 1.658,18.037 0.778,18.917 0.778,28.331 1.959,29.512 1.959,84.161 v1(2.279,84.48)
  L8 w0.127: v1(2.279,84.48) 2.839,84.48 2.904,84.416 2.904,85.848 2.946,85.89
AFE_IO_2V5_2: U1.M2 | length 213.5
  L1 w0.127: U1.M2@112,20.421 112.026,20.421 112.287,20.681 v1(112.292,20.681)
  L3 w0.127: v1(4.216,8.95) 5.21,7.956 5.861,7.956 7.807,6.01 11.672,6.01 11.792,6.131 13.659,6.131 18.456,1.334 109.317,1.334 109.532,1.549 110.403,1.549 111.379,2.525 111.379,2.762 111.605,2.987 111.605,4.016 111.709,4.121 111.709,4.63 113.64,6.56 113.64,6.912 114.736,8.009 115.386,8.009 115.732,8.356 116.267,8.356 116.517,8.605 116.767,8.605 117.145,8.983 117.145,9.233 117.145,15.882 117.017,16.01 117.017,17.272 114.96,19.33 114.749,19.33 114.486,19.593 113.815,19.593 113.701,19.707 113.489,19.707 113.26,19.936 113.26,20.03 112.932,20.359 112.808,20.359 112.659,20.508 112.539,20.508 112.366,20.681 v1(112.292,20.681)
  L6 w0.127: v1(4.115,83.363) 3.658,82.906 3.658,77.95 3.943,77.664 3.943,75.904 3.688,75.649 3.688,60.422 3.943,60.167 3.943,47.437 3.658,47.152 3.658,9.385 3.849,9.194 3.908,9.194 4.151,8.95 v1(4.216,8.95)
  L8 w0.127: v1(4.115,83.363) 4.115,83.437 4.204,83.526 4.204,84.416 4.242,84.454 4.242,85.89
AFE_IO_2V5_3: U1.K5 | length 211.2
  L1 w0.127: U1.K5@109.6,18.821 109.61,18.821 109.952,19.162 v1(109.952,19.173)
  L3 w0.127: v1(6.261,8.828) 8.145,6.944 10.208,6.944 10.563,7.299 11.729,7.299 12.136,6.893 14.723,6.893 19.519,2.096 108.77,2.096 109.661,2.988 109.661,3.28 110.449,4.067 110.449,5.077 110.176,5.35 110.176,7.198 110.582,7.604 110.919,7.604 111.192,7.331 111.852,7.331 112.895,8.374 112.895,8.556 113.974,9.635 114.507,9.635 114.659,9.483 114.748,9.483 116.021,10.756 116.021,14.034 115.434,14.621 115.434,17.401 114.913,17.921 113.581,17.921 113.452,18.05 113.093,18.05 112.721,18.422 112.721,18.617 112.626,18.711 112.303,18.711 112.209,18.805 110.319,18.805 v1(109.952,19.173)
  L6 w0.127: v1(5.461,83.21) 5.081,82.83 5.081,79.977 5.251,79.806 5.251,76.953 5.081,76.782 5.081,75.225 5.172,75.134 5.172,72.575 5.441,72.307 5.441,66.628 5.344,66.532 5.344,66.038 5.441,65.942 5.441,46.985 5.496,46.93 5.496,31.78 5.486,31.771 5.486,10.268 5.69,10.065 5.69,9.04 5.779,8.95 5.803,8.95 5.873,8.88 6.208,8.88 v1(6.261,8.828)
  L8 w0.127: v1(5.461,83.21) 5.461,84.373 5.504,84.416 5.504,85.895 5.512,85.903
AFE_IO_2V5_4: U1.N2 | length 218.6
  L1 w0.127: U1.N2@112,21.2 112.409,21.61 113.096,21.61 113.233,21.746 113.4,21.746 113.562,21.908 114.362,21.908 114.526,22.073 v1(115.037,22.073)
  L3 w0.127: v1(8.103,4.572) 8.137,4.537 10.142,4.537 10.313,4.708 12.227,4.708 13.881,3.054 13.881,2.226 15.535,0.572 110.863,0.572 111.427,1.137 111.699,1.137 112.979,2.417 112.979,2.599 113.152,2.773 113.152,4.226 113.223,4.297 113.223,4.317 114.516,5.61 114.516,5.637 114.91,6.031 114.91,6.034 114.973,6.098 114.973,6.407 115.233,6.667 115.95,6.667 116.028,6.746 116.173,6.746 116.42,6.993 117.135,6.993 118.415,8.273 118.415,8.436 118.424,8.445 118.424,11.137 118.44,11.153 118.44,17.718 118.033,18.125 118.033,18.866 116.234,20.665 115.81,20.665 115.099,21.376 115.099,21.474 115.037,21.537 v1(115.037,22.073)
  L6 w0.127: v1(6.643,83.16) 6.643,75.039 6.253,74.649 6.253,67.148 6.652,66.749 6.652,66.254 7.034,65.873 7.034,41.443 6.805,41.215 6.717,41.215 6.643,41.14 6.643,9.181 6.909,8.915 6.909,7.644 8.103,6.45 v1(8.103,4.572)
  L8 w0.127: v1(6.643,83.16) 6.643,83.233 6.804,83.394 6.804,84.416 6.655,84.565 6.655,85.89
AFE_IO_2V5_5: U1.L7 | length 203.7
  L1 w0.127: U1.L7@108.004,19.621 108.356,19.973 v1(108.356,19.99)
  L3 w0.127: v1(8.788,7.334) 10.239,7.334 10.458,7.553 12.403,7.553 12.809,7.147 15.053,7.147 19.849,2.35 45.23,2.35 45.305,2.426 46.154,2.426 46.229,2.35 108.186,2.35 108.874,3.039 108.874,3.305 109.661,4.092 109.661,5.102 109.338,5.426 109.338,6.719 110.829,8.21 112.372,8.21 112.641,8.479 112.641,8.661 113.868,9.889 114.794,9.889 115.767,10.861 115.767,13.929 115.18,14.516 115.18,17.296 114.808,17.667 113.476,17.667 113.347,17.796 112.988,17.796 112.793,17.991 110.656,17.991 110.311,18.336 110.311,18.435 109.966,18.78 108.268,18.78 108.01,19.038 108.01,19.643 v1(108.356,19.99)
  L6 w0.127: v1(8.738,77.064) 8.378,76.704 8.378,75.689 8.493,75.574 8.493,69.603 8.378,69.488 8.378,63.516 8.518,63.376 8.518,60.913 8.431,60.825 8.431,56.043 8.457,56.016 8.457,35.283 8.378,35.203 8.378,24.769 8.687,24.46 8.687,12.2 8.788,12.098 v1(8.788,7.334)
  L8 w0.152: 8.104,78.516 8.104,77.062 8.128,77.038 8.153,77.064 v1(8.738,77.064)
AFE_IO_2V5_6: U1.M3 | length 212.6
  L1 w0.127: U1.M3@111.2,20.421 111.202,20.421 111.561,20.78 v1(111.561,20.799)
  L3 w0.127: v1(8.01,8.423) 8.017,8.429 13.484,8.429 13.718,8.195 v1(13.792,8.195) ; v1(111.561,20.799) 111.613,20.851 111.902,20.851 112.006,20.955 112.014,20.955 112.178,21.119 112.407,21.119 112.913,20.613 113.34,20.613 113.464,20.488 113.903,20.488 114.545,19.847 114.592,19.847 114.854,19.584 115.813,19.584 116.902,18.495 116.902,17.747 117.271,17.378 117.271,16.115 117.424,15.962 117.424,15.904 117.399,15.879 117.399,8.941 117.399,8.878 116.872,8.351 116.809,8.351 116.559,8.102 115.913,8.102 115.566,7.755 114.841,7.755 113.894,6.807 113.894,6.452 113.5,6.058 113.5,6.031 111.963,4.494 111.963,4.015 111.859,3.912 111.859,3.588 111.943,3.505 111.943,3.302 v1(111.995,3.25)
  L2 w0.127: v1(13.792,8.195) 13.792,7.703 15.015,6.481 15.194,6.481 15.423,6.252 15.423,6.073 20.742,0.754 109.296,0.754 110.578,2.035 111.035,2.035 112,3 112,3.245 v1(111.995,3.25)
  L6 w0.127: 7.924,10.54 7.874,10.49 7.874,9.559 8.01,9.423 v1(8.01,8.423)
  L6 w0.152: v1(7.772,80.975) 7.772,77.779 7.909,77.643 7.909,75.789 7.699,75.58 7.699,69.14 7.8,69.039 7.8,62.599 7.664,62.463 7.664,46.112 8.191,45.585 8.191,35.393 7.893,35.095 7.893,20.199 8.191,19.902 8.191,17.02 7.893,16.722 7.893,15.2 7.924,15.169 7.924,10.54
  L8 w0.152: 6.883,77.038 6.804,77.118 6.804,78.516 6.804,79.925 6.706,80.023 6.706,80.149 7.532,80.975 v1(7.772,80.975)
AFE_IO_2V5_7: U1.M6 | length 217
  L1 w0.127: U1.M6@108.8,20.421 108.817,20.421 109.152,20.756 v1@109.152,20.773
  L3 w0.127: v1(3.472,9.019) 3.794,9.341 4.378,9.341 5.509,8.21 5.967,8.21 7.913,6.264 11.566,6.264 11.687,6.385 13.765,6.385 18.561,1.588 109.211,1.588 109.426,1.803 110.062,1.803 111.351,3.093 111.351,4.121 111.455,4.226 111.455,4.735 113.386,6.666 113.386,7.018 113.657,7.289 113.657,8.117 113.886,8.346 114.209,8.346 114.292,8.263 115.264,8.263 115.61,8.61 116.162,8.61 116.412,8.859 116.662,8.859 116.891,9.088 116.891,9.338 116.891,15.777 116.763,15.904 116.763,17.163 116.675,17.252 116.675,17.256 115.115,18.816 114.737,18.816 114.214,19.339 113.71,19.339 113.596,19.453 113.384,19.453 113.006,19.831 113.006,19.925 112.827,20.105 112.703,20.105 112.553,20.254 112.167,20.254 112.031,20.391 110.422,20.391 110.419,20.387 110.176,20.387 110.144,20.355 109.82,20.355 109.788,20.387 109.61,20.387 v1(109.195,20.803)